# Altium PCB EPS.PcbDoc (part 6 of 10) (continued)
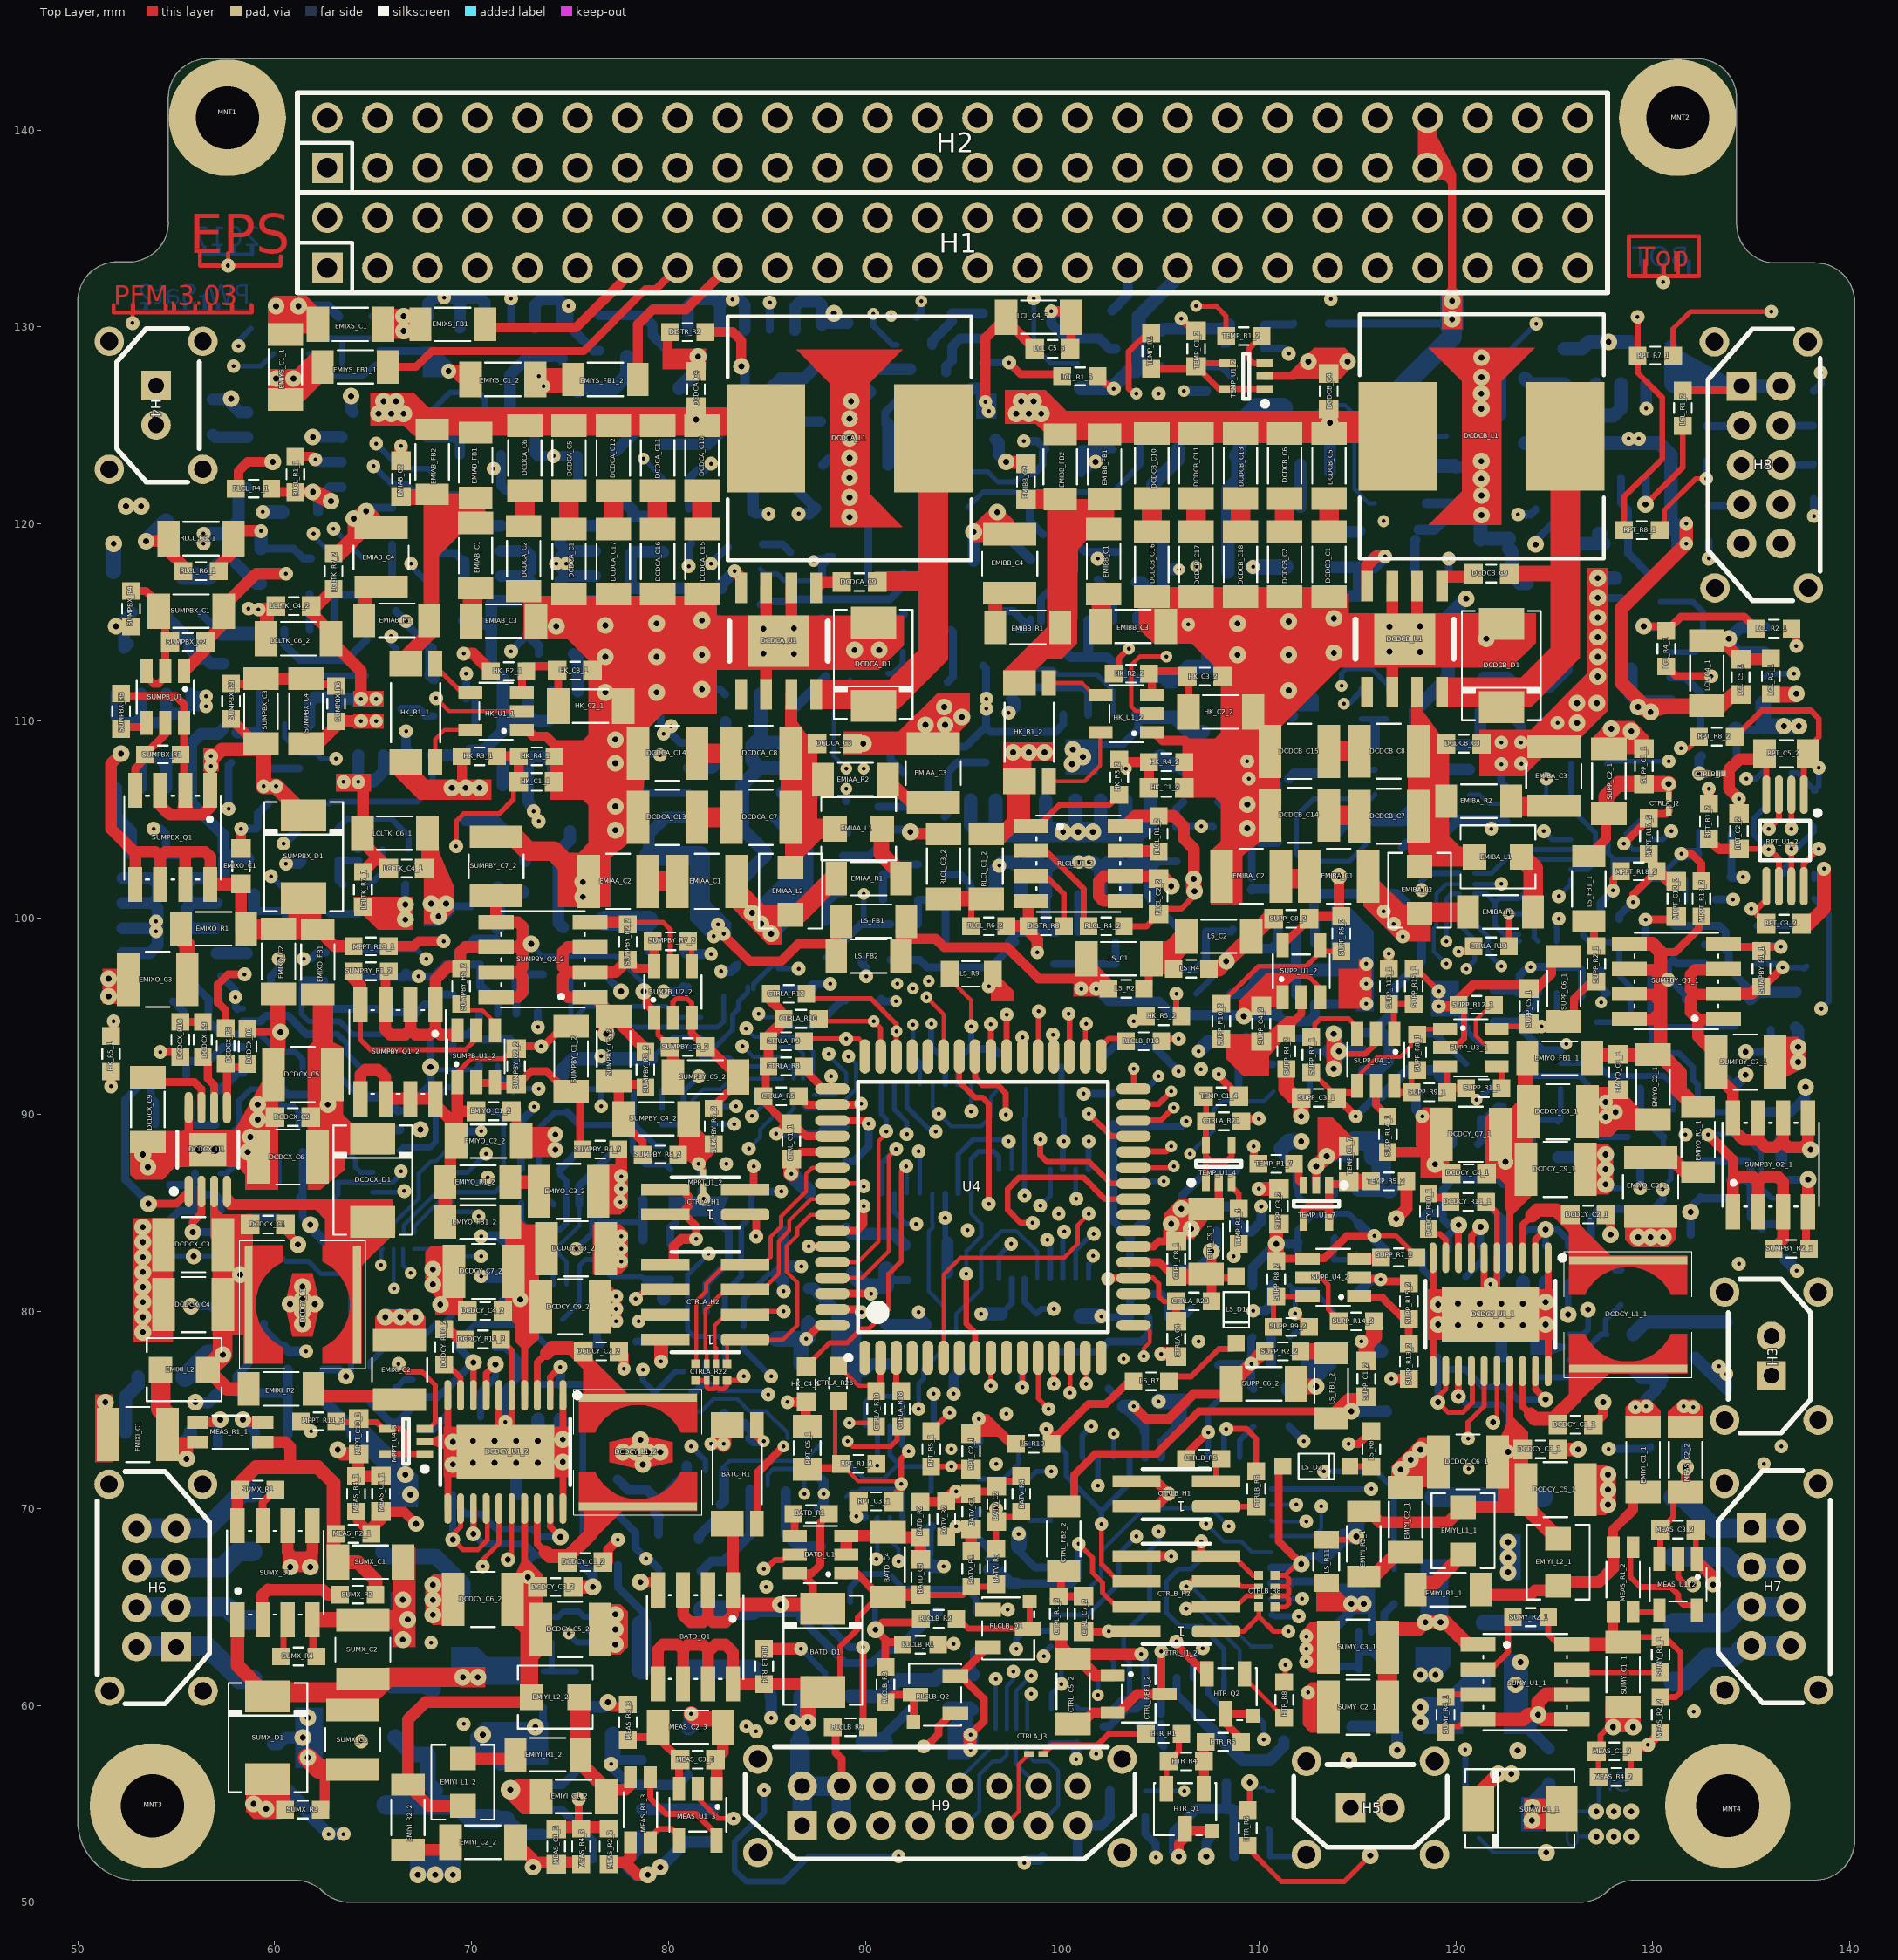
[diagram p0: Top Layer view]
## Nets (pads, with @x,y where several pads share a name; then routed paths per layer and width w, separated by ;. In a path a pad name is that pad's centre, name@x,y a point inside that pad or via, vN(x,y) a via of type N, cw(c..) or ccw(c..) an arc to the next point about the centre after c; other vN are vias at no path point) (continued)
  Bottom Layer w1: DRLCL_C1_1.1@79,103.15 DRLCL_C2_1.1@81.6,103.15 DRLCL_C3_1.1@81.6,101.4 81.6,100.3
  other v1: 82.296,99.06 82.512,99.657
  other v2: 68.326,100.076 100.8,104.356 100.5,107.8 100.546,108.547
NetDRLCL_C1_1_2: DRLCL_C1_1.2 DRLCL_C5_1.1 DRLCL_R4_1.2 | length 3.8
  Bottom Layer w0.4: DRLCL_R4_1.2@78.983,98.298 79,98.315 DRLCL_C1_1.2@79,99.85
  Bottom Layer w1: DRLCL_C5_1.1@76.75,99.85 DRLCL_C1_1.2@79,99.85
NetDRLCL_C1_2_2: DRLCL_C1_2.2 DRLCL_C5_2.1 DRLCL_R4_2.2 | length 5
  Bottom Layer w0.3: DRLCL_C5_2.1@106.262,107.531 106.808,108.077 107.707,108.077 DRLCL_R4_2.2@108.966,109.336
  Bottom Layer w0.8: DRLCL_C1_2.2@104.99,108.166 105.371,107.785 106.008,107.785 DRLCL_C5_2.1@106.262,107.531
NetDRLCL_C2_1_2: DRLCL_C2_1.2 DRLCL_C3_1.2 DRLCL_R2_1.1 DRLCL_R5_1.1 DRLCL_U1_1.5 DRLCL_U1_1.6 | length 14.3
  Bottom Layer w0.7: DRLCL_C3_1.2@83.4,101.4 83.4,101.65 DRLCL_C2_1.2@84.9,103.15 84.9,103.35 83.75,104.5 83.75,106.75 84.62,107.62 ; DRLCL_R5_1.1@84.682,111.341 DRLCL_R2_1.1@84.682,110.198 84.682,109.182 84.39,108.89 ; DRLCL_U1_1.6@85.81,107.62 84.62,107.62 ; DRLCL_U1_1.5@85.81,108.89 84.39,108.89 ; 84.39,108.89 84.25,108.75 84.25,107.99 84.62,107.62
NetDRLCL_C2_2_2: DRLCL_C2_2.2 DRLCL_C3_2.2 DRLCL_R2_2.1 DRLCL_R5_2.1 DRLCL_U1_2.5 DRLCL_U1_2.6 | length 14
  Bottom Layer w0.5: DRLCL_R2_2.1@98.768,113.511 99.952,113.511 100.053,113.612 ; DRLCL_U1_2.5@100.053,115.098 100.053,113.612 ; DRLCL_U1_2.6@101.323,115.098 101.323,113.231 ; DRLCL_C3_2.2@105.372,111.987 105.218,112.141 103.378,112.141 102.288,113.231 101.323,113.231 ; 100.053,113.612 100.434,113.231 101.323,113.231
  Bottom Layer w0.7: DRLCL_C3_2.2@105.372,111.987 105.637,111.987 106.387,112.737 DRLCL_C2_2.2@107.15,112.737 ; DRLCL_C2_2.2@107.404,112.738 DRLCL_R5_2.1@107.404,113.997
NetDRLCL_C4_1_1: DRLCL_C4_1.1 DRLCL_R3_1.2 DRLCL_R6_1.2 DRLCL_U1_1.8 EMIAA_C1.1 EMIAA_L2.2 EMIAA_R1.1 EMIBA_C1.1 EMIBA_L2.2 EMIBA_R1.1 | length 31.6
  Top Layer w1: EMIAA_C1.1@83.45,101.85 83.45,101.35 84.65,100.15 EMIAA_L2.2@86.2,100.15 ; EMIAA_L2.2@86.215,100.165 EMIAA_L2.2@86.2,100.15 ; EMIAA_R1.1@88.52,102.109 86.561,100.15 EMIAA_L2.2@86.2,100.15 ; EMIBA_C1.1@115.65,101.65 117.1,100.2 EMIBA_L2.2@118.15,100.2 118.242,100.292 EMIBA_R1.1@120.613,100.292
  Control Signals 2 w0.254: v1(79.578,108.255) 81.763,106.07 81.763,102.737 v2(84.25,100.25)
  Bottom Layer w0.254: DRLCL_R3_1.2@78.842,108.139 79.034,108.331 79.11,108.255 v1(79.578,108.255)
  Bottom Layer w0.6: 86.54,104.35 DRLCL_C4_1.1@88.978,104.35
  Bottom Layer w1: v2(84.25,100.25) 85.65,100.25 86.54,101.14 86.54,104.35
  other v1: 117.3,99.05 116.84,99.695 116.332,100.33
  other v2: 85.217,99.187 84.709,99.695
NetDRLCL_C4_2_1: DRLCL_C4_2.1 DRLCL_R3_2.2 DRLCL_R6_2.2 DRLCL_U1_2.8 EMIVBAT_FB1.2 EMIVBAT_FB2.2 | length 27.4
  Power w0.3: v1(97.282,110.414) 97.282,116.916 100.914,120.548 104.877,120.548 105.943,119.482 v3(105.943,117.704)
  Bottom Layer w0.6: v1(97.282,110.414) 97.612,110.744 97.612,110.936 DRLCL_R3_2.2@97.46,111.089 ; DRLCL_R6_2.2@103.795,117.043 104.038,117.043 104.597,116.484 DRLCL_C4_2.1@105.119,116.484 ; DRLCL_U1_2.8@103.863,115.098 103.863,115.318 104.595,116.05 105.119,116.05 DRLCL_C4_2.1@105.119,116.484 ; EMIVBAT_FB1.2@105.119,119.469 EMIVBAT_FB2.2@105.119,117.564 ; v3(105.943,117.704) 105.259,117.704 EMIVBAT_FB2.2@105.119,117.564 ; DRLCL_C4_2.1@105.119,116.484 EMIVBAT_FB2.2@105.119,117.564
NetDRLCL_R2_1_2: DRLCL_R2_1.2 DRLCL_U1_1.3 | length 3.8
  Bottom Layer w0.6: DRLCL_U1_1.3@81.03,107.62 82.22,107.62 82.893,108.293 DRLCL_R2_1.2@82.893,109.933
NetDRLCL_R2_2_2: DRLCL_R2_2.2 DRLCL_U1_2.3 | length 3.8
  Bottom Layer w0.4: DRLCL_R2_2.2@98.768,111.711 101.065,111.711 101.323,111.453 DRLCL_U1_2.3@101.323,110.318
NetDRLCL_R3_1_1: DRLCL_R3_1.1 DRLCL_U1_1.2 | length 2.2
  Bottom Layer w0.4: DRLCL_R3_1.1@78.829,106.377 78.856,106.35 DRLCL_U1_1.2@81.03,106.35
NetDRLCL_R3_2_1: DRLCL_R3_2.1 DRLCL_U1_2.2 | length 6.8
  Bottom Layer w0.254: DRLCL_R3_2.1@97.498,112.622 99.519,112.622 99.784,112.357 101.765,112.357 102.593,111.529 DRLCL_U1_2.2@102.593,110.318
NetDRLCL_R6_1_1: DRLCL_R6_1.1 DRLCL_U1_1.7 | length 1.7
  Bottom Layer w0.7: DRLCL_U1_1.7@85.81,106.35 DRLCL_R6_1.1@87.5,106.35
NetDRLCL_R6_2_1: DRLCL_R6_2.1 DRLCL_U1_2.7 | length 2.4
  Bottom Layer w0.4: DRLCL_R6_2.1@101.805,117.183 102.593,116.395 DRLCL_U1_2.7@102.593,115.098
NetDRLCL_U1_1_4: DRLCL_U1_1.4 DRLCL_U1_2.4 SEL_C1.1 SEL_D3.K SEL_D4.K SEL_R1.1 SEL_R2.2 SEL_R3.2 | length 41.3
  Power w0.7: v1(80.137,109.728) 86.614,109.728 88.265,111.379 91.694,111.379 92.837,112.522 94.742,112.522 v1(96.139,111.125)
  Signal 1 w0.4: v1(80.137,109.728) 80.645,110.236 80.645,117.475 v1(81.026,117.856)
  Bottom Layer w0.4: SEL_C1.1@79.602,110.198 79.602,109.882 80.594,108.89 DRLCL_U1_1.4@81.03,108.89 ; v1(81.026,117.856) 81.026,118.861 SEL_R1.1@81.153,118.988 ; SEL_D4.K@92.799,108.694 95.094,108.694 SEL_R3.2@96.037,109.637 ; SEL_D3.K@95.974,112.816 96.139,112.651 v1(96.139,111.125) v1(96.139,110.617) SEL_R3.2@96.139,109.663 ; SEL_R3.2@96.101,109.574 96.09,109.585 96.139,109.634 SEL_R3.2@96.139,109.663 ; SEL_R3.2@96.101,109.701 SEL_R3.2@96.139,109.663 ; DRLCL_U1_2.4@100.053,110.318 100.053,109.832 99.657,109.436 96.366,109.436 SEL_R3.2@96.139,109.663
  other v1: 79.756,109.347
NetEMIAA_C1_2: EMIAA_C1.2 EMIAA_C2.1 | length 1.5
  Top Layer w1: EMIAA_C2.1@78.95,101.85 EMIAA_C1.2@80.45,101.85
NetEMIAA_C3_1: EMIAA_C3.1 EMIAA_R2.1 | length 2.8
  Top Layer w0.6: EMIAA_R2.1@91.147,107.023 92.32,105.85 EMIAA_C3.1@93.45,105.85
NetEMIAA_L1_2: EMIAA_L1.2 EMIAA_R1.2 | length 2.4
  Top Layer w0.8: EMIAA_L1.2@90.824,104.356 90.824,103.232 EMIAA_R1.2@91.694,102.362
NetEMIAB_C1_1: EMIAB_C1.1 EMIAB_C2.1 EMIAB_FB1.1 EMIAB_FB2.1 EMIAB_R1.1 HK_R1_1.4 | length 2.9
  Top Layer w0.8: EMIAB_C2.1@66.35,121.35 EMIAB_FB2.1@68,121.35
  Top Layer w1: EMIAB_C1.1@70.2,120.05 EMIAB_FB1.1@70.2,121.337
NetEMIAB_C1_2: EMIAB_C1.2 EMIAB_C3.1 | length 1.6
  Top Layer w1: EMIAB_C3.1@70.05,115 70.05,116.35 EMIAB_C1.2@70.2,116.5
NetEMIAB_C4_1: EMIAB_C4.1 EMIAB_R1.2 | length 1.6
  Top Layer w0.7: EMIAB_R1.2@64.6,115.1 EMIAB_C4.1@64.6,116.7
NetEMIBA_C1_2: EMIBA_C1.2 EMIBA_C2.1 | length 1.4
  Top Layer w1: EMIBA_C2.1@111.125,101.981 EMIBA_C1.2@112.522,101.981
NetEMIBA_C3_1: EMIBA_C3.1 EMIBA_R2.1 | length 2.1
  Top Layer w1: EMIBA_R2.1@123.05,105.65 EMIBA_C3.1@125.15,105.65
NetEMIBA_L1_2: EMIBA_L1.2 EMIBA_R1.2 | length 3
  Top Layer w1: EMIBA_L1.2@123.336,103.086 123.913,102.509 EMIBA_R1.2@123.913,100.292
NetEMIBB_C1_1: EMIBB_C1.1 EMIBB_C2.1 EMIBB_FB1.1 EMIBB_FB2.1 EMIBB_R1.1 HK_R1_2.4 | length 3.1
  Top Layer w1: EMIBB_C2.1@98.15,121.25 EMIBB_FB2.1@99.9,121.25 ; EMIBB_C1.1@102.15,119.9 EMIBB_FB1.1@102.15,121.25
NetEMIBB_C1_2: EMIBB_C1.2 EMIBB_C3.1 | length 1.4
  Top Layer w1: EMIBB_C3.1@102,114.9 102,116.1 EMIBB_C1.2@102.15,116.25
NetEMIBB_C4_1: EMIBB_C4.1 EMIBB_R1.2 | length 1.5
  Top Layer w0.7: EMIBB_R1.2@96.6,114.75 EMIBB_C4.1@96.6,116.25
NetEMIVBAT_C1_1: EMIVBAT_C1.1 EMIVBAT_C2.1 EMIVBAT_FB1.1 EMIVBAT_FB2.1 EMIVBAT_R1.1 HK_R1_3.4 | length 10.4
  Bottom Layer w0.7: EMIVBAT_FB2.1@108.419,117.564 EMIVBAT_FB1.1@108.419,119.469 108.419,121.754 108.929,122.264 EMIVBAT_R1.1@108.929,123.152 ; EMIVBAT_R1.1@108.814,123.469 109.017,123.673 109.017,125.222 109.855,126.06 111.224,126.06 HK_R1_3.4@111.376,125.908
NetEMIVBAT_C1_2: EMIVBAT_C1.2 EMIVBAT_C3.1 | length 1.7
  Bottom Layer w0.4: EMIVBAT_C3.1@107.188,128.259 107.431,128.016 108.077,128.016 EMIVBAT_C1.2@108.585,127.508
NetEMIVBAT_C2_2: EMIVBAT_C2.2 EMIVBAT_C4.1 | length 2.8
  Bottom Layer w0.7: EMIVBAT_C2.2@104.61,121.501 104.61,122.009 105.879,123.278 EMIVBAT_C4.1@105.879,123.787
NetEMIVBAT_C5_1: EMIVBAT_C5.1 EMIVBAT_R1.2 | length 2.2
  Bottom Layer w0.6: EMIVBAT_C5.1@112.102,120.866 EMIVBAT_R1.2@112.102,123.025
NetEMIXI_C1_1: EMIXI_C1.1 EMIXI_L2.2 EMIXI_R1.1 MEAS_R1_1.4 | length 7.7
  Top Layer w0.5: EMIXI_C1.1@54.737,73.56 54.921,73.376 MEAS_R1_1.4@56.097,73.376
  Top Layer w0.7: EMIXI_C1.1@54.548,73.749 EMIXI_C1.1@54.737,73.56 ; EMIXI_C1.1@54.921,73.376 55.193,73.103 55.193,72.846 v2(55.523,72.517)
  Top Layer w1: EMIXI_L2.2@54.204,77.051 54.204,75.057 54.548,74.713 EMIXI_C1.1@54.548,73.749
  Bottom Layer w0.7: v2(55.523,72.517) 55.523,73.43 55.714,73.621 EMIXI_R1.1@55.714,73.876
NetEMIXI_C2_1: EMIXI_C2.1 EMIXI_R2.1 | length 3.6
  Top Layer w0.6: EMIXI_R2.1@61.976,75.692 EMIXI_C2.1@65.329,75.692
  Top Layer w0.7: EMIXI_C2.1@65.329,75.692 EMIXI_C2.1@65.494,75.527
NetEMIXI_L1_2: EMIXI_L1.2 EMIXI_R1.2 | length 3.1
  Bottom Layer w0.7: EMIXI_R1.2@52.414,73.876 52.414,75.655 53.061,76.302 EMIXI_L1.2@53.061,76.67
NetEMIXO_C1_1: EMIXO_C1.1 EMIXO_C2.1 EMIXO_FB1.1 EMIXO_R1.2 MPPT_R13_1.2 SUMPB_U1.1 SUMPBX_C1.1 SUMPBX_C2.1 SUMPBX_D1.A SUMPBX_Q1.D | length 43.1
  Top Layer w0.6: v2(52.197,108.331) 51.689,107.823 51.689,104.521 52.87,103.34 53.023,103.34 ; SUMPBX_Q1.D@52.921,101.689 52.921,103.238 53.023,103.34 ; SUMPBX_Q1.D@54.191,101.689 54.191,103.086 ; SUMPB_U1.1@55.395,112.524 56.488,113.617 SUMPBX_C2.1@56.488,114.008 57.403,114.923 SUMPBX_C1.1@57.403,115.57 ; SUMPBX_Q1.D@55.461,101.689 55.461,103.213 ; SUMPBX_Q1.D@56.731,101.689 56.731,103.086 56.477,103.34 54.445,103.34 54.191,103.086 ; SUMPBX_C1.1@57.746,116.166 59.055,117.475 v1(60.579,117.475) ; EMIXO_C1.1@58.166,101.716 EMIXO_C1.1@58.271,101.694 ; EMIXO_R1.2@58.293,99.442 EMIXO_C1.1@58.293,101.689 ; EMIXO_C1.1@58.293,101.716 EMIXO_C1.1@58.271,101.694 ; EMIXO_FB1.1@62.192,99.402 63.042,98.552 MPPT_R13_1.2@63.997,98.552 ; 53.023,103.34 53.937,103.34 54.191,103.086 ; EMIXO_C1.1@58.271,101.694 58.266,101.689 EMIXO_C1.1@58.293,101.689 ; EMIXO_C1.1@58.271,101.694 58.288,101.69 EMIXO_C1.1@58.293,101.689
  Top Layer w0.7: SUMPBX_Q1.D@56.731,101.689 EMIXO_C1.1@58.266,101.689
  Signal 1 w0.6: v2(52.197,108.331) 52.197,110.998 57.912,116.713 59.944,116.713 60.579,117.348 v1(60.579,117.475)
NetEMIXO_C3_1: EMIXO_C3.1 EMIXO_R1.1 | length 2.8
  Top Layer w0.8: EMIXO_R1.1@55.119,99.441 55.119,99.059 55.564,98.614 EMIXO_C3.1@55.564,96.863
NetEMIXS_C1_1: EMIXS_C1.1 EMIXS_FB1.1 SUMX_D1.A SUMX_R3.1 | length 93
  Top Layer w0.3: EMIXS_C1.1@65.493,130.137 EMIXS_C1.1@65.874,130.518
  Top Layer w0.5: SUMX_D1.A@59.642,56.242 60.217,56.242 60.53,55.929 SUMX_R3.1@60.53,54.699
  Power w1: v2(58.928,54.991) 58.928,61.341 57.023,63.246 57.023,69.088 58.039,70.104 58.039,71.726 51.943,77.822 51.943,90.043 52.033,90.133 52.125,90.133 53.086,91.094 53.086,97.536 51.562,99.06 51.562,104.775 53.594,106.807 53.594,108.839 52.578,109.855 52.578,113.538 54.864,115.824 54.864,120.142 55.626,120.904 57.531,120.904 58.42,121.793 58.42,123.952 60.452,125.984 61.849,125.984 62.611,126.746 62.611,127.889 64.897,130.175 66.091,130.175 v2@66.51,129.756
  other v2: 59.563,54.737 66.548,129.794 66.548,130.556
NetEMIXS_C2_1: EMIXS_C2.1 EMIXS_C3.1 EMIXS_FB2.1 EMIXS_FB3.1 SUMX_C2.1 SUMX_C3.1 SUMX_D1.K SUMX_U1.1 | length 61.9
  Top Layer w0.7: SUMX_U1.1@58.113,64.344 58.113,62.029 SUMX_D1.K@59.474,60.668
  Top Layer w1: SUMX_D1.K@59.474,60.668 64.986,60.668 65.748,61.43 v2@69.431,61.43
  Power w1.5: 71.971,61.557 78.524,61.557 78.994,61.087 88.189,61.087 89.078,60.198 95.758,60.198 96.774,59.182 105.664,59.182 106.197,59.715 111.227,59.715 111.76,59.182 117.475,59.182 117.818,59.525
  other v2: 118.199,59.144 118.199,59.906 69.558,61.43 70.32,61.43
NetEMIXS_FB2_2: EMIXS_FB2.2 EMIXS_T1.4 | length 5.3
  Bottom Layer w0.8: EMIXS_T1.4@65.492,67.804 65.732,67.564 68.174,67.564 69.558,66.18 EMIXS_FB2.2@69.558,65.621
NetEMIXS_FB3_2: EMIXS_FB3.2 EMIXS_T2.4 | length 3
  Bottom Layer w0.8: EMIXS_FB3.2@121.397,64.2 EMIXS_T2.4@124.424,64.2
NetEMIXS_T1_1: EMIXS_T1.1 H6.3 H6.7 | length 6.2
  Bottom Layer w1: H6.7@53,67 57.348,67 58.152,67.804 EMIXS_T1.1@58.892,67.804
NetEMIXS_T1_2: EMIXS_T1.2 H6.4 H6.8 | length 6.6
  Bottom Layer w1: H6.8@53,69 56.554,69 58.358,70.804 EMIXS_T1.2@58.892,70.804
NetEMIXS_T2_1: EMIXS_T2.1 H7.3 H7.7 | length 6.3
  Bottom Layer w1: EMIXS_T2.1@131.024,64.2 133.669,64.2 134.469,65 H7.7@137,65
NetEMIXS_T2_2: EMIXS_T2.2 H7.4 H7.8 | length 6.7
  Bottom Layer w1: EMIXS_T2.2@131.024,61.2 131.558,61.2 132.804,62.446 134.074,62.446 134.628,63 H7.8@137,63
NetEMIYI_C1_1_1: EMIYI_C1_1.1 EMIYI_L2_1.2 EMIYI_R1_1.1 MEAS_R1_2.4 | length 10.8
  Top Layer w0.5: MEAS_R1_2.4@127.986,68.033 127.986,68.931 128.994,69.939 EMIYI_C1_1.1@128.994,70.574
  Top Layer w0.6: EMIYI_R1_1.1@121.246,65.875 121.5,65.621 123.787,65.621 124.003,65.837 124.949,65.837 EMIYI_L2_1.2@125.184,66.072 ; EMIYI_L2_1.2@125.692,66.256 127.267,66.256 127.986,66.975 MEAS_R1_2.4@127.986,68.033
NetEMIYI_C1_2_1: EMIYI_C1_2.1 EMIYI_L2_2.2 EMIYI_R1_2.1 MEAS_R1_3.4 | length 7.1
  Top Layer w0.6: EMIYI_C1_2.1@76.796,55.461 77.05,55.715 77.813,55.715 78.075,55.977 MEAS_R1_3.4@78.075,56.349
  Top Layer w0.7: EMIYI_R1_2.1@75.526,57.493 75.526,57.062 76.669,55.919 EMIYI_C1_2.1@76.669,55.461
  Top Layer w1: EMIYI_L2_2.2@75.457,60.16 75.526,60.091 EMIYI_R1_2.1@75.526,57.493
NetEMIYI_C2_1_1: EMIYI_C2_1.1 EMIYI_R2_1.1 | length 2.6
  Top Layer w0.7: EMIYI_R2_1.1@115.316,66.675 115.95,66.675 117.056,67.781 EMIYI_C2_1.1@117.437,67.781
NetEMIYI_C2_2_1: EMIYI_C2_2.1 EMIYI_R2_2.1 | length 2.3
  Top Layer w0.6: EMIYI_R2_2.1@66.764,52.668 68.544,52.668 EMIYI_C2_2.1@68.924,53.048
NetEMIYI_L1_1_2: EMIYI_L1_1.2 EMIYI_R1_1.2 | length 3.2
  Top Layer w0.7: EMIYI_R1_1.2@117.946,65.875 118.301,66.23 118.922,66.23 EMIYI_L1_1.2@120.358,67.666
NetEMIYI_L1_2_2: EMIYI_L1_2.2 EMIYI_R1_2.2 | length 2.7
  Top Layer w0.6: EMIYI_L1_2.2@69.558,57.296 72.029,57.296 EMIYI_R1_2.2@72.226,57.493
NetEMIYO_C1_1_1: EMIYO_C1_1.1 EMIYO_C2_1.1 EMIYO_FB1_1.1 EMIYO_R1_1.2 MPPT_R13_2.2 SUMPB_U1_1.1 SUMPBY_C1_1.1 SUMPBY_C2_1.1 SUMPBY_Q1_1.D | length 26
  Top Layer w0.4: 130.391,98.26 131.153,98.26 132.334,99.441 MPPT_R13_2.2@132.334,99.822
  Top Layer w0.6: SUMPBY_Q1_1.D@128.646,94.826 130.005,94.826 130.264,95.085 ; SUMPBY_Q1_1.D@128.646,96.096 130.015,96.096 130.264,95.847 ; SUMPBY_Q1_1.D@128.646,97.366 130.015,97.366 130.264,97.117
  Top Layer w0.7: EMIYO_FB1_1.1@126.834,92.799 127.087,93.052 EMIYO_C2_1.1@130.01,93.052 130.391,93.433 130.391,98.26 129.977,98.674 SUMPBY_Q1_1.D@128.811,98.674
  Top Layer w0.8: EMIYO_C2_1.1@130.01,93.052 130.392,93.052 131.318,92.126 131.318,91.237 EMIYO_R1_1.2@131.915,90.64
  Bottom Layer w0.4: SUMPBY_C1_1.1@131.662,95.847 131.662,96.1 130.772,96.99 130.772,97.614 131.026,97.868 131.203,97.691 SUMPB_U1_1.1@132.637,97.691
  other v1: 130.772,96.863
NetEMIYO_C1_2_1: EMIYO_C1_2.1 EMIYO_C2_2.1 EMIYO_FB1_2.1 EMIYO_R1_2.2 MPPT_R13_3.2 SUMPB_U1_2.1 SUMPBY_C1_2.1 SUMPBY_C2_2.1 SUMPBY_Q1_2.D | length 33.2
  Top Layer w0.254: SUMPB_U1_2.1@69.281,91.654 69.281,92.141 69.977,92.837 71.628,92.837 72.147,93.356 SUMPBY_C2_2.1@72.263,93.356 SUMPBY_C2_2.1@72.39,93.356
  Top Layer w0.4: SUMPBY_C2_2.1@72.39,93.356 72.506,93.472 v1(73.533,93.472) 73.533,93.355 74.729,94.551 SUMPBY_C1_2.1@74.993,94.551
  Top Layer w0.6: SUMPBY_Q1_2.D@64.351,91.067 64.351,92.037 64.605,92.291 65.24,92.291 65.621,91.91 65.621,90.813 SUMPBY_Q1_2.D@68.166,90.813 ; SUMPBY_Q1_2.D@68.224,90.449 68.924,89.75 EMIYO_R1_2.2@68.924,86.576 ; EMIYO_C2_2.1@69.178,88.608 EMIYO_C2_2.1@69.216,88.646 69.281,88.711 69.281,90.17 ; SUMPB_U1_2.1@69.281,91.654 69.281,90.17 ; EMIYO_C1_2.1@70.347,90.17 EMIYO_C1_2.1@70.22,90.17 69.281,90.17
  Top Layer w0.7: EMIYO_R1_2.2@68.67,86.576 68.67,84.545 EMIYO_FB1_2.1@68.671,84.544
  Power w0.4: v1(73.533,93.472) 75.184,95.123 79.248,95.123 79.756,95.631 v1(79.756,96.266)
  Signal 2 w0.4: v1@73.533,93.355 v1(73.533,93.472)
  Bottom Layer w0.4: v1(79.756,96.266) 80.761,96.266 MPPT_R13_3.2@80.888,96.393 ; MPPT_R13_3.2@80.761,96.52 MPPT_R13_3.2@80.888,96.393 ; MPPT_R13_3.2@80.977,96.482 MPPT_R13_3.2@80.888,96.393
NetEMIYO_C3_1_1: EMIYO_C3_1.1 EMIYO_R1_1.1 | length 2.7
  Top Layer w0.7: EMIYO_C3_1.1@129.883,87.822 130.923,87.822 131.66,87.085 EMIYO_R1_1.1@132.296,87.085
NetEMIYO_C3_2_1: EMIYO_C3_2.1 EMIYO_R1_2.1 | length 1.7
  Top Layer w0.7: EMIYO_R1_2.1@71.97,86.576 73.138,86.576 EMIYO_C3_2.1@73.519,86.195
NetEMIYS_C1_1_1: EMIYS_C1_1.1 EMIYS_FB1_1.1 SUMY_D1_1.A SUMY_R3_1.1 | length 152.5
  Signal 1 w0.7: v2@61.049,127.47 v2(60.96,127.381) 60.884,127.305 60.884,119.685 59.055,117.856 53.086,117.856 50.965,115.735 50.965,99.276 53.086,97.155 53.086,91.306 51.816,90.036 51.816,77.978 57.912,71.882 57.912,58.42 61.087,55.245 63.627,55.245 65.659,53.213 80.518,53.213 82.753,50.978 120.675,50.978 v2(123.85,54.153)
  Bottom Layer w0.7: v2(123.876,54.828) 123.876,55.042 124.714,55.88 SUMY_R3_1.1@124.714,55.996
  other v2: 60.071,127.381
NetEMIYS_C1_2_1: EMIYS_C1_2.1 EMIYS_FB1_2.1 SUMY_D1_2.A SUMY_R3_2.1 | length 108.9
  Signal 1 w0.8: v2(53.213,120.904) 56.769,120.904 58.547,122.682 58.547,124.714 58.928,125.095 58.928,128.016 59.436,128.524 62.611,128.524 63.615,127.52 67.044,127.52 68.199,126.365 72.453,126.365 v1@73.374,127.286
  Signal 2 w1: v2(52.451,120.904) v2(53.213,120.904) 53.467,120.904 54.737,119.634 54.737,114.935 53.594,113.792 53.594,107.442 51.689,105.537 51.689,99.441 53.086,98.044 53.086,91.094 52.125,90.133 52.033,90.133 51.816,89.916 51.816,77.216 55.118,73.914 56.134,73.914 58.42,71.628 58.42,57.785 v1(62.738,53.467)
  Bottom Layer w0.6: SUMY_R3_2.1@59.906,56.212 60.18,56.212 SUMY_D1_2.A@61.449,54.943 61.449,54.756 v1(62.738,53.467) v1(63.5,53.467)
  other v1: 73.66,127 73.406,127.508
NetEMIYS_C2_1_1: EMIYS_C2_1.1 EMIYS_FB2_1.1 SUMY_C2_1.1 SUMY_C3_1.1 SUMY_D1_1.K SUMY_U1_1.1 | length 19.6
  Top Layer w0.7: SUMY_C3_1.1@116.421,63.462 116.815,63.856 118.085,63.856 v2(118.453,64.224) v2(119.215,64.224) 119.469,64.224 120.597,63.096 SUMY_U1_1.1@121.113,63.096 ; SUMY_D1_1.K@121.135,54.752 121.135,55.502 v2(122.149,56.515)
  Top Layer w1: SUMY_C2_1.1@116.524,59.906 SUMY_C3_1.1@116.524,62.954
  Signal 1 w0.7: v2(119.215,64.224) 121.59,61.849 121.59,57.074 v2(122.149,56.515)
  other v2: 122.809,56.515
NetEMIYS_C2_2_1: EMIYS_C2_2.1 EMIYS_FB2_2.1 SUMY_C2_2.1 SUMY_C3_2.1 SUMY_D1_2.K SUMY_U1_2.1 | length 12.6
  Bottom Layer w0.6: SUMY_C2_2.1@71.796,54.239 72.606,53.429 SUMY_U1_2.1@73.622,53.429
  Bottom Layer w0.8: EMIYS_C2_2.1@66.128,58.382 67.016,57.494 EMIYS_FB2_2.1@67.78,57.494 67.78,56.048 SUMY_C3_2.1@68.161,55.667 ; SUMY_C2_2.1@71.209,54.239 SUMY_C2_2.1@71.796,54.239
  Bottom Layer w1: SUMY_D1_2.K@65.669,54.943 69.314,54.943 70.018,54.239 SUMY_C2_2.1@71.209,54.239
NetEMIYS_FB2_1_2: EMIYS_FB2_1.2 EMIYS_T1_1.4 | length 5.5
  Bottom Layer w1: EMIYS_FB2_1.2@118.897,70.55 EMIYS_T1_1.4@124.424,70.55
NetEMIYS_FB2_2_2: EMIYS_FB2_2.2 EMIYS_T1_2.4 | length 2.1
  Bottom Layer w0.7: EMIYS_T1_2.4@65.923,60.946 EMIYS_FB2_2.2@67.678,60.946
  Bottom Layer w0.8: EMIYS_FB2_2.2@67.678,60.946 67.819,60.886 EMIYS_FB2_2.2@68.034,60.794
NetEMIYS_T1_1_1: EMIYS_T1_1.1 H7.1 H7.5 | length 6.6
  Bottom Layer w1: EMIYS_T1_1.1@131.024,70.55 131.558,70.55 133.108,69 H7.5@137,69
NetEMIYS_T1_1_2: EMIYS_T1_1.2 H7.2 H7.6 | length 6.2
  Bottom Layer w1: EMIYS_T1_1.2@131.024,67.55 133.669,67.55 134.219,67 H7.6@137,67
NetEMIYS_T1_2_1: EMIYS_T1_2.1 H6.1 H6.5 | length 6.6
  Bottom Layer w1: H6.5@53,63 56.558,63 58.231,61.327 EMIYS_T1_2.1@58.892,61.327
NetEMIYS_T1_2_2: EMIYS_T1_2.2 H6.2 H6.6 | length 6.2
  Bottom Layer w1: H6.6@53,65 57.555,65 58.228,64.327 EMIYS_T1_2.2@58.892,64.327
NetH5_2: H5.2 RBL_C2.1 RBL_C4.1 RBL_R3.2 RBL_R5.1 RBL_R8.2 RBL_R10.1 | length 99.1
  Signal 2 w0.4: v1(107.061,104.648) 108.458,103.251 110.363,103.251 111.506,104.394 118.237,104.394 121.412,101.219 121.412,94.488 123.952,91.948 123.952,86.36 127.762,82.55 127.762,79.629 125.349,77.216 125.349,75.874 125.352,75.871 125.352,74.298 124.841,73.787 124.841,61.468 122.426,59.053 122.426,58.418 118.796,54.788 H5.2@116.656,54.788
  Control Signals 2 w0.3: v3(89.916,101.219) 102.616,101.219 106.045,104.648 v1(107.061,104.648)
  Bottom Layer w0.254: RBL_R5.1@87.973,97.995 RBL_R5.1@88.089,97.995 ; RBL_C2.1@89.762,99.668 RBL_C2.1@89.878,99.668
  Bottom Layer w0.3: RBL_C2.1@89.789,99.706 89.916,99.833 v3(89.916,101.219)
  Bottom Layer w0.4: RBL_R5.1@88.089,97.995 RBL_C2.1@89.762,99.668 ; RBL_C2.1@89.878,99.668 RBL_R3.2@91.275,99.668 ; RBL_C4.1@106.134,105.88 105.791,105.537 105.791,104.621 105.818,104.648 v1(107.061,104.648) 107.631,104.648 RBL_R10.1@107.658,104.621
NetH8_1: H8.1 H8.6 LCL_C2_1.1 LCL_C2_2.1 LCL_R1_1.2 LCL_R1_2.2 LCL_U1_1.8 LCL_U1_2.8 | length 42
  Top Layer w0.4: LCL_R1_2.2@131.521,126.782 H8.1@134.282,126.782
  Top Layer w0.7: H8.1@134.282,126.782 H8.1@134.5,127
  Power w0.8: H8.6@136.5,127 H8.1@134.5,127 132.588,127 130.683,125.095 130.683,112.522 133.477,109.728 v2(136.652,109.728)
  Bottom Layer w0.4: LCL_R1_1.2@134.212,109.563 135.587,109.563 135.587,109.728 ; LCL_C2_1.1@134.25,108.204 LCL_R1_1.2@134.25,109.525 ; 135.598,109.574 135.752,109.728
  Bottom Layer w0.7: LCL_C2_2.1@130.92,128.98 LCL_U1_2.8@130.92,127.11 131.03,127 H8.1@134.5,127 H8.6@136.5,127
  Bottom Layer w0.8: LCL_R1_1.2@134.212,109.563 LCL_R1_1.2@134.25,109.525 ; 135.587,109.728 135.598,109.739 LCL_U1_1.8@135.598,110.871 ; 135.752,109.728 v2(136.652,109.728)
  other v2: 137.414,109.728
NetH9_16: H9.16 HTR_R2.1 | length 9.1
  Power w0.4: H9.16@100.79,55.898 102.471,55.898 104.775,53.594 106.045,53.594 v2(107.315,52.324)
  Bottom Layer w0.5: v2(107.315,52.324) 107.315,53.075 HTR_R2.1@107.58,53.34
NetHK_C2_1_1: HK_C2_1.1 HK_C3_1.1 HK_R2_1.2 HK_U1_1.3 | length 4.4
  Top Layer w0.4: 72.56,111.75 72.56,112.692 72.644,112.776 74.124,112.776 HK_C3_1.1@74.35,112.55 ; HK_C2_1.1@74.4,110.75 HK_C3_1.1@74.4,112.3
NetHK_C2_2_1: HK_C2_2.1 HK_C3_2.1 HK_R2_2.2 HK_U1_2.3 | length 4.7
  Top Layer w0.4: HK_U1_2.3@104.56,111.45 104.56,112.423 104.659,112.522 106.078,112.522 HK_C3_2.1@106.35,112.25 ; HK_C3_2.1@106.206,112.107 106.4,111.913 HK_C2_2.1@106.4,110.45
NetHK_C2_3_1: HK_C2_3.1 HK_C3_3.1 HK_R2_3.2 HK_U1_3.3 | length 5.5
  Bottom Layer w0.5: HK_R2_3.2@117.9,117.475 HK_C2_3.1@117.9,119.15 ; HK_C2_3.1@118.085,119.713 118.913,119.713 HK_C3_3.1@120,120.8 ; HK_U1_3.3@118.51,121.05 HK_C3_3.1@119.95,121.05
NetHK_R1_1_1: HK_R1_1.1 HK_R3_1.1 LCL_C1_3.1 LCL_C1_4.1 LCL_C1_6.1 LCL_C4_3.1 LCL_C4_4.1 LCL_C4_6.1 LCL_C5_3.1 LCL_C5_4.1 LCL_C5_6.1 LCL_U1_3.1 LCL_U1_4.1 LCL_U1_6.1 RLCL_C1_1.1 RLCL_U1_1.1 | length 135.6
  Top Layer w0.5: v2@69.524,106.756 HK_R3_1.1@69.524,108.132
  Power w0.6: v1(56.388,118.999) 58.039,118.999 58.547,118.491 65.024,118.491 70.612,124.079 73.533,124.079 v1(74.168,123.444)
  Signal 1 w0.6: v2(69.7,106.6) v2(70.4,106.6) 75.692,111.892 75.692,117.348 77.978,119.634 ; v1(74.168,123.444) 77.978,119.634 ; v1(86.614,120.523) 85.725,119.634 77.978,119.634
  Control Signals 2 w1: v1(86.614,120.523) 86.614,126.619 88.138,128.143 93.218,128.143 94.451,129.376 106.336,129.376 109.601,126.111 109.601,122.174 115.57,116.205 v2(120.523,116.205)
  Bottom Layer w0.5: RLCL_C1_1.1@57.403,119.507 RLCL_C1_1.1@57.911,120.015 RLCL_C1_1.1@58.166,120.27 ; RLCL_U1_1.1@58.166,121.867 RLCL_U1_1.1@58.629,121.867 ; LCL_U1_4.1@73.3,125.1 LCL_U1_4.1@73.22,125.18 73.22,123.58 LCL_C5_4.1@73.3,123.5 73.35,123.45 LCL_C1_4.1@75.4,123.45 75.4,122.05 LCL_C4_4.1@75.05,121.7 ; LCL_C4_3.1@87.45,120.8 86.36,121.89 86.36,124.46 86.42,124.52 LCL_U1_3.1@86.42,125.08 86.54,125.2 LCL_C1_3.1@87.75,125.2 ; LCL_C1_6.1@113.7,104.3 113.952,104.3 114.632,104.98 LCL_U1_6.1@115.88,104.98
  Bottom Layer w0.6: RLCL_C1_1.1@58.166,120.27 RLCL_U1_1.1@58.166,121.867 ; v1(86.614,120.523) 87.173,120.523 LCL_C4_3.1@87.45,120.8
  Bottom Layer w0.7: v1(56.388,119.507) RLCL_C1_1.1@57.403,119.507 ; LCL_U1_6.1@115.88,104.98 117.28,104.98 117.95,105.65 LCL_C4_6.1@117.95,110.5 117.95,110.55 LCL_C5_6.1@119.6,112.2 119.6,115.282 v2(120.523,116.205)
  other v2: 69,106.6
NetHK_R1_1_2: HK_R1_1.2 HK_U1_1.5 | length 3.1
  Top Layer w0.208: HK_R1_1.2@68.158,107.914 68.158,109.077 68.621,109.54 HK_U1_1.5@69.937,109.54
NetHK_R1_1_3: HK_R1_1.3 HK_U1_1.4 | length 2.5
  Top Layer w0.208: HK_R1_1.3@68.158,112.792 HK_R1_1.3@68.158,112.914 ; HK_U1_1.4@69.51,111.44 HK_U1_1.4@69.937,111.44
  Top Layer w0.25: HK_R1_1.3@68.158,112.792 HK_U1_1.4@69.51,111.44
NetHK_R1_2_1: HK_R1_2.1 HK_R3_2.1 LCL_C1_1.1 LCL_C1_2.1 LCL_C1_5.1 LCL_C4_1.1 LCL_C4_2.1 LCL_C4_5.1 LCL_C5_1.1 LCL_C5_2.1 LCL_C5_5.1 LCL_U1_1.1 LCL_U1_2.1 LCL_U1_5.1 RLCL_C1_2.1 RLCL_U1_2.1 | length 101.4
  Top Layer w0.3: RLCL_U1_2.1@98.418,104.663 98.796,104.663 99.873,105.74 102.398,105.74 HK_R3_2.1@102.895,106.237
  Top Layer w0.5: v1(96.1,126.2) 96.1,129.45 LCL_C4_5.1@97.15,130.5 97.15,130.35 LCL_C5_5.1@98.6,128.9
  Top Layer w0.7: RLCL_C1_2.1@96.139,104.266 RLCL_C1_2.1@96.343,104.47 ; RLCL_C1_2.1@96.444,104.089 RLCL_C1_2.1@96.799,104.089 ; RLCL_U1_2.1@97.676,104.965 97.676,105.169 ; v2@129.718,110.707 132.677,110.707 132.734,110.701 132.736,110.701 133.371,110.638 134.063,111.33 LCL_C5_1.1@134.455,111.33 ; v2(129.883,110.452) 128.397,111.938 128.397,115.697 v1(131.699,118.999) v1(131.699,120.015)
  Top Layer w0.8: RLCL_C1_2.1@96.799,104.089 RLCL_U1_2.1@97.676,104.965
  Signal 2 w1: v1(96.266,125.73) 95.25,124.714 95.25,122.936 96.393,121.793 98.933,121.793 ; v2@98.933,108.458 98.933,121.793 ; v1(128.778,124.333) 128.524,124.587 117.094,124.587 115.316,122.809 103.886,122.809 102.87,121.793 98.933,121.793
  Bottom Layer w0.6: LCL_C1_5.1@92.926,125.437 LCL_C1_5.1@93.18,125.437 93.941,125.437 95.384,126.88 LCL_U1_5.1@95.98,126.88
  Bottom Layer w0.7: LCL_C4_2.1@123.5,124.1 LCL_C5_2.1@125.5,124.1 130.332,124.1 130.92,123.512 LCL_U1_2.1@130.92,122.33 LCL_C1_2.1@130.92,119.77 ; LCL_C1_1.1@128.866,112.611 128.866,111.344 129.248,110.962 v2(129.248,110.706) 129.487,110.945 LCL_U1_1.1@130.892,110.945
  other v1: 129.286,124.333
  other v2: 97.5,108.4 98.3,108.4 99.1,108.4
NetHK_R1_2_2: HK_R1_2.2 HK_U1_2.5 | length 4.6
  Top Layer w0.208: HK_R1_2.2@99.323,106.923 101.132,106.923 101.93,107.721 101.93,109.402 HK_U1_2.5@101.941,109.413
NetHK_R1_2_3: HK_R1_2.3 HK_U1_2.4 | length 3.1
  Top Layer w0.208: HK_R1_2.3@99.323,111.923 101.005,111.923 101.615,111.313 HK_U1_2.4@101.803,111.313 ; HK_U1_2.4@101.94,111.45 HK_U1_2.4@101.803,111.313 ; HK_U1_2.4@101.941,111.313 HK_U1_2.4@101.803,111.313
NetHK_R1_3_2: HK_R1_3.2 HK_U1_3.5 | length 1.8
  Bottom Layer w0.3: HK_U1_3.5@115.886,122.946 HK_R1_3.2@115.886,124.739
NetHK_R1_3_3: HK_R1_3.3 HK_U1_3.4 | length 9.5
  Bottom Layer w0.208: HK_R1_3.3@111.277,124.814 HK_R1_3.3@111.682,124.814 ; HK_R1_3.3@111.506,125.07 112.37,125.07 113.335,126.035 114.351,126.035 114.833,125.552 114.833,121.793 115.58,121.046 HK_U1_3.4@115.886,121.046
NetHK_R5_1_1: HK_R5_1.1 HK_U1_1.2 | length 45.2
  Top Layer w0.208: v1(68.199,111.153) 68.862,110.49 HK_U1_1.2@72.557,110.49
  Top Layer w0.254: HK_R5_1.1@51.689,93.991 HK_R5_1.1@51.816,94.118
  Top Layer w0.5: HK_R5_1.1@51.816,94.118 v1(51.816,94.742)
  Control Signals 1 w0.254: v1(51.816,94.742) 53.086,96.012 53.086,97.917 52.07,98.933 52.07,105.156 54.356,107.442 54.356,113.03 57.912,116.586 66.167,116.586 68.199,114.554 v1(68.199,111.153)
NetHK_R5_2_1: HK_R5_2.1 HK_U1_2.2 | length 24.7
  Top Layer w0.208: HK_U1_2.2@104.56,110.5 103.749,110.5 103.505,110.744 103.505,112.829 103.948,113.273 v3(105.283,113.273)
  Top Layer w0.3: v1(105.791,96.139) 105.791,95.261 HK_R5_2.1@106.056,94.996
  Signal 2 w0.3: v3(105.283,113.273) 104.14,112.13 104.14,97.79 v1(105.791,96.139)
NetHK_R5_3_1: HK_R5_3.1 HK_U1_3.2 | length 5.3
  Bottom Layer w0.254: HK_U1_3.2@118.51,122 117.624,122 117.221,122.403 117.221,123.698 117.983,124.46 HK_R5_3.1@119.496,124.46
NetHTR_Q1_B: HTR_Q1.B HTR_R4.1 HTR_R5.2 | length 2.6
  Top Layer w0.5: HTR_Q1.B@107.188,55.753 107.199,55.764 HTR_R4.1@107.199,57.15 107.199,58.137 HTR_R5.2@107.329,58.268